# KiCad board panel9.kicad_pcb (continued)
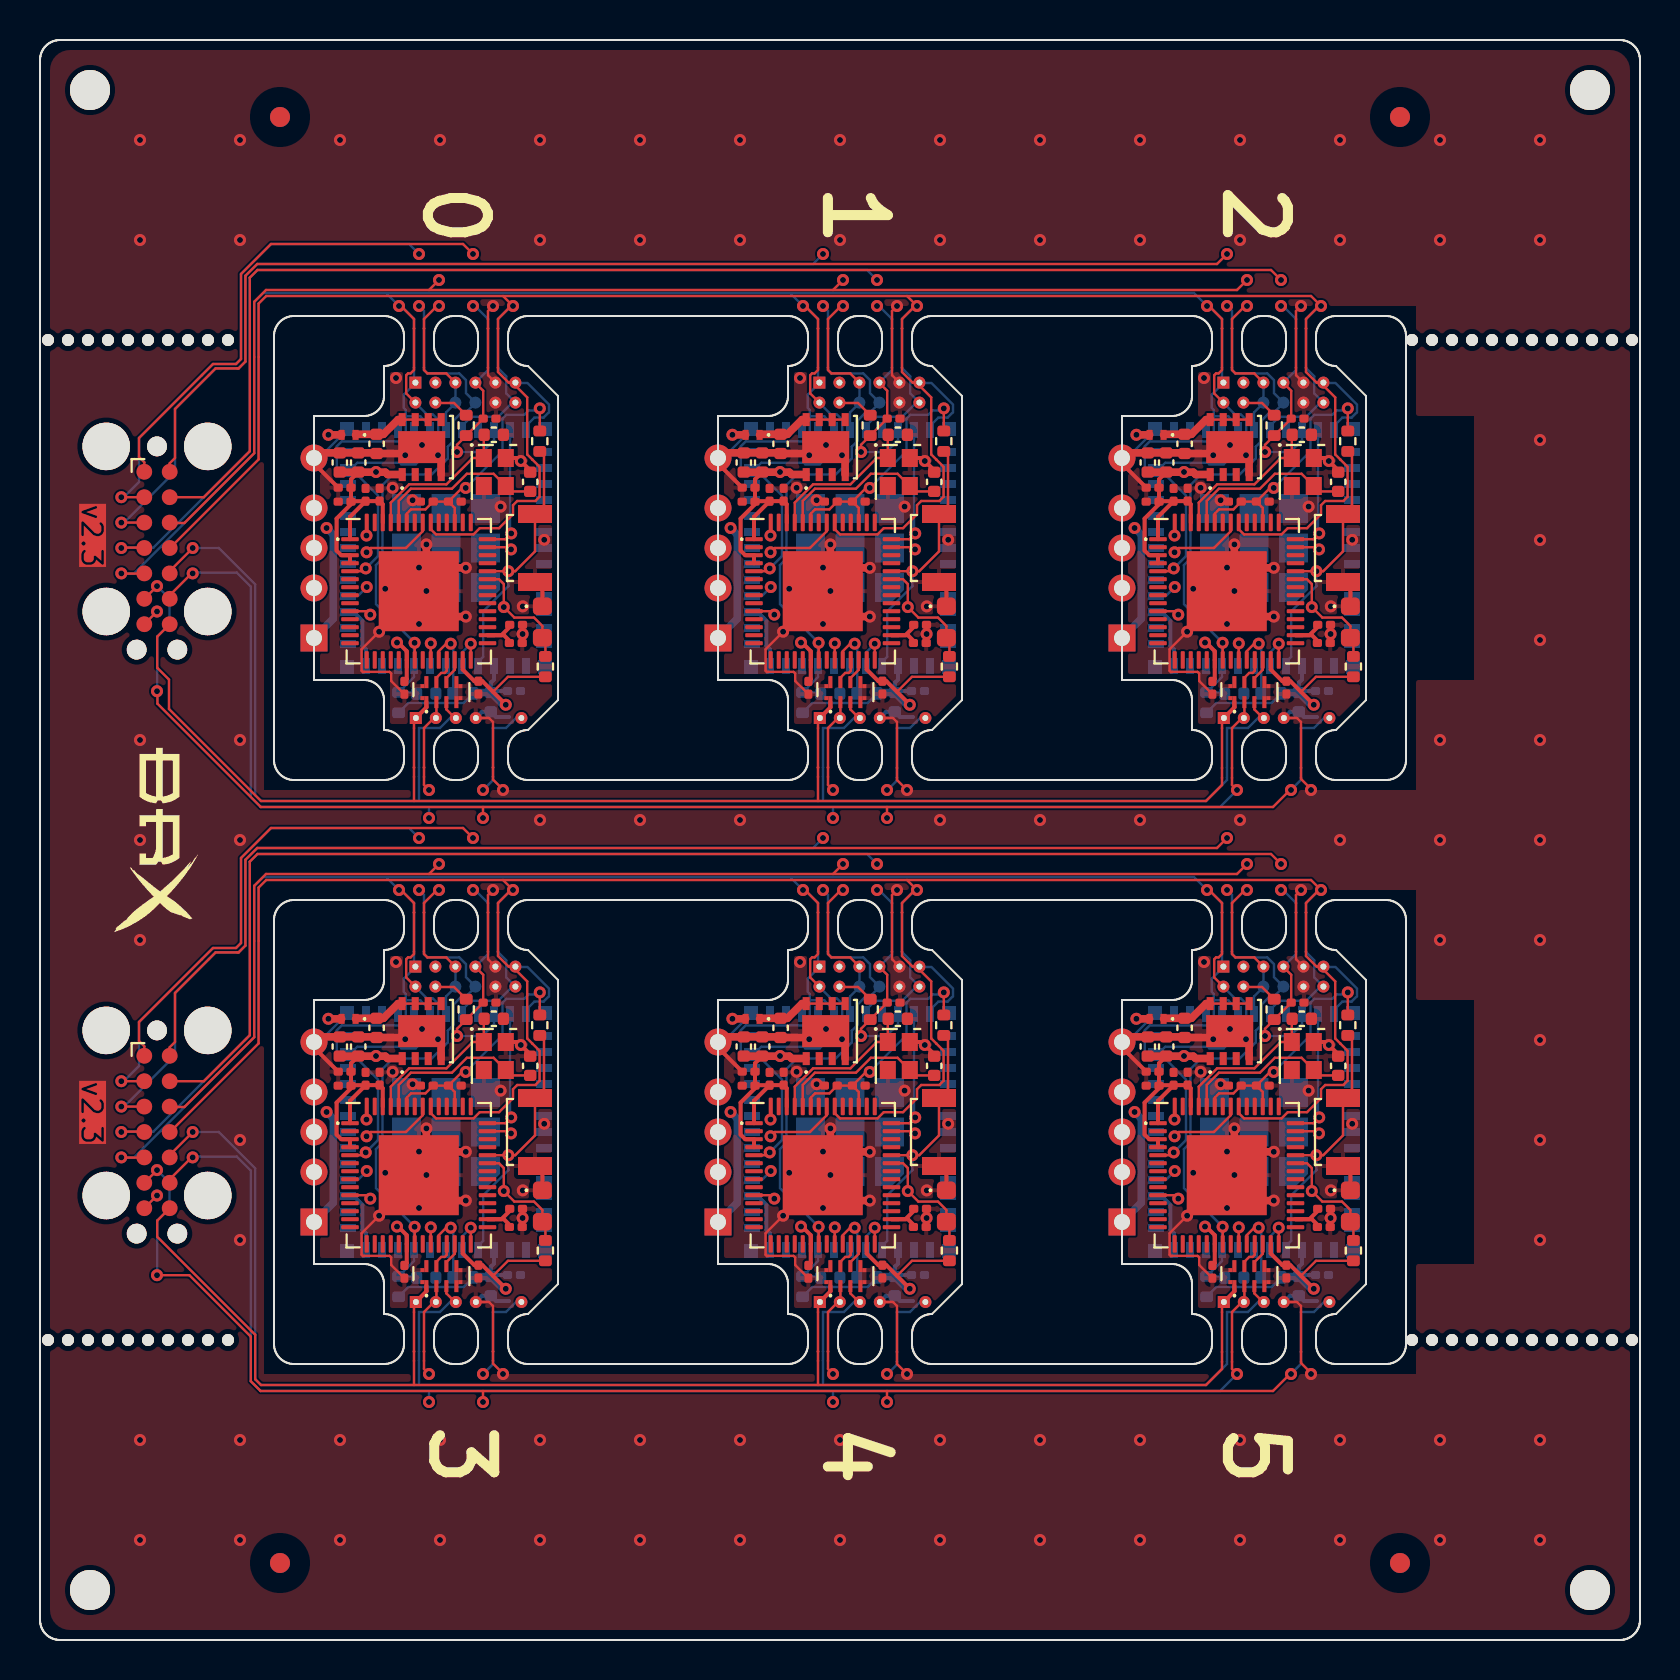
[diagram p0: board, top side]
## Routing (per net, layer and track width the routed paths; a pad name or vN(x,y) marks a point on that pad's centre or on a via; arc(x,y) is an arc through that point) (continued)
Board_4-Net-(U2-GPIO18/ADC2_CH7/DAC_2): length 3.8
  Top w0.12: v1(40.74,20.62) 40.51,20.62 40.14,20.24 U2#3.24
  Bottom w0.12: 40.79,18.13 40.86,18.2 40.86,20.49 v1(40.74,20.62)
Board_4-Net-(U2-VDD_SPI): length 2.5
  Top w0.2: 43.69,20.75 43.4,21.04 U2#3.30 43.28,21.04 43.69,21.45
Board_4-Net-(U2-XTAL_N): length 8.6
  Top w0.12: U2#3.52 38.14,27.76 38.75,28.36 40.8,28.36 41.54,29.11 42.88,29.11 Y1.3 43.76,28.23 C18#2.1
Board_4-Net-(U2-XTAL_P): length 7.7
  Top w0.12: U2#3.53 37.74,27.67 38.66,28.58 40.53,28.58 41.84,29.9 Y1.1 42.39,31.04 C19.1
Board_4-VBUS: length 4.6
  Top w0.12: U1#3.5 U1#3.6 U1#3.7 U1#3.8
  Top w0.38: D1#3.1 36.01,31.08 37.37,31.08 38.1,31.82 U1#3.8
Board_5-+3V3: length 75.2
  Top w0.12: R4#3.2 61.1,32.65 60.19,32.65 J2#6.4 ; U2#6.45 61.14,27.4 C12#3.1 ; v1(61.69,28.4) 61.5,28.4 C12#3.1 ; U2#6.51 58.74,27.11 58.95,27.33 59.67,27.33 C9#2.1 C12#3.1 ; 63.05,18.21 63.8,18.96 R11.2 ; R1#4.2 65.39,32.28
  Top w0.2: U2#6.1 55.9,26.96 C8#2.1 ; U2#6.54 57.54,27.59 C7.1 56.69,27.75 C8#2.1 ; v1(63.69,17.56) 63.69,17.57 62.52,18.74 C6.1 62.12,18.74 61.54,19.32 U2#6.27 ; C2.1 55.97,27.74 C8#2.1 ; C2.1 C3#4.1 55.95,28.83 C17.1 ; C2.1 55.95,27.59 55.23,26.87 55.23,25.27 55.46,25.04 U2#6.3 U2#6.4 ; v1(58.25,20.67) 58.26,20.66 58.32,20.66 58.74,20.24 U2#6.20 58.74,18.85 C1#6.1
  Top w0.38: 58.5,29.08 57.78,29.08 57.67,29.19 57.21,29.19 v1(57.2,29.2) 57.19,29.19 55.72,29.19
  In2.Cu w0.38: v1(61.69,28.4) 60.89,29.2 v1(57.2,29.2) ; v1(58.25,20.67) 58.25,22.76 ; 58.25,22.76 59.29,22.76 60.67,21.38 62.05,21.38 63.69,19.74 v1(63.69,17.56) ; 58.25,22.76 56.43,22.76 55.89,23.3 55.89,27.89 v1(57.2,29.2) ; J2#6.3 J2#6.4 60.17,32.04 59.64,31.51 58.82,31.51 57.2,29.89 v1(57.2,29.2)
  Bottom w0.12: R6#6.2 58.82,17.65 61.58,17.65 R10#5.2 ; v1(61.69,28.4) 63.52,30.24 63.52,31.86 63.72,32.06 64.61,32.06 64.83,32.28 65.39,32.28
  Bottom w0.2: 63.73,18.25 63.02,18.25 C14#4.1 62.94,18.66 63.1,18.82 U3#4.3
  Bottom w0.38: v1(63.69,17.56) 63.55,17.56 C14#4.1 62.05,18.17 62.01,18.13
  vias: v1(65.39,32.38)
Board_5-/BTN: length 24.2
  Top w0.12: U2#6.38 v1(63.82,24.24) 64.16,24.24 65.15,25.23 SW1#2.1 65.6,27.55 65.6,30.02 R1#4.1
  In2.Cu w0.12: v1(63.82,24.24) 64.29,24.24 65.94,22.59 65.94,18.37 J4#5.1
  Bottom w0.12: J4#5.1 64.2,16.9 63.7,16.4 NT12#4.1 ; U3#4.4 62.3,19.7 62.56,19.96 62.56,22.23 63.82,23.49 v1(63.82,24.24)
Board_5-/D+_TP: length 14.6
  Top w0.12: U4#6.3 60.72,17.33 61.15,16.9
  In2.Cu w0.12: J1#2.3 54.94,24.56 54.94,22.98 60.32,17.59 60.5,17.59 J3#4.3
  Bottom w0.12: J3#4.3 60.9,16.9 60.4,16.4 NT11#5.1
Board_5-/D-_TP: length 10.7
  Top w0.12: U4#6.2 60.22,16.93 J3#4.2 60.1,16.9 NT10#3.1
  In2.Cu w0.12: J1#2.2 54.21,23.4 60.19,17.42 J3#4.2
Board_5-/HCI_CTS: length 2.1
  Top w0.12: v1(61.94,20.61) U2#6.28
  Bottom w0.12: U3#4.5 61.5,20.18 v1(61.94,20.61)
Board_5-/HCI_RXD: length 2
  Top w0.12: U2#6.23 59.94,20.63 v1(59.94,20.63)
  Bottom w0.12: v1(59.94,20.63) 59.94,19.54 U3#4.7
Board_5-/HCI_TXD: length 6.5
  Top w0.12: U2#6.42 63.67,25.84 v1(63.96,26.13)
  Bottom w0.12: U3#4.34 63.9,26.19 v1(63.96,26.13)
Board_5-/LED: length 14.7
  Top w0.12: R11.1 65.67,20.76 D6#5.2 65.52,21.5 65.1,21.92 64.12,21.92 63.59,22.45 v1(63.59,22.45) 63.59,23.6 63.35,23.84 U2#6.37
  In2.Cu w0.12: v1(56.74,23.45) 57.11,23.82 62.22,23.82 v1(63.59,22.45)
  Bottom w0.12: U3#4.15 56.29,23 v1(56.74,23.45)
Board_5-/PICO_EN: length 24.5
  Top w0.12: v1(59.13,20.66) 59.13,20.44 59.14,20.43 U2#6.21
  Bottom w0.12: NT5#6.1 59.6,34.3 59.77,34.13 61.36,34.13 61.7,33.79 61.7,33.14 J2#6.8 62.17,32.65 61.6,32.08 61.39,32.08 61.09,31.78 61.09,30.77 60.79,30.47 60.79,29.88 59.99,29.08 58.05,29.08 57.52,28.55 57.52,24.87 57.2,24.54 57.2,22.59 v1(59.13,20.66) 59.1,20.63 U3#4.8 59.1,18.95 R6#6.1 59.17,18.18 C5#3.1
Board_5-/PICO_IO0: length 24.1
  Top w0.12: v1(56.91,22.07) 56.74,22.24 U2#6.10 ; NT2#5.1 59.1,34.3 58.93,34.13 58.8,34.13 58.71,34.04 58.71,33.13 J2#6.2 59.19,32.65 59.22,32.65 59.24,32.63
  In2.Cu w0.12: J2#6.2 59.17,32.65 55.47,28.95 55.47,22.92 56.32,22.07 v1(56.91,22.07)
  Bottom w0.12: U3#4.23 56,29.4 56.26,29.66 58.39,29.66 58.47,29.58 59.18,29.58 60.31,30.71 60.31,31.81 60.04,32.08 59.74,32.08 59.17,32.65 J2#6.2
Board_5-/PICO_TXD: length 15.8
  Top w0.12: 64.2,32.73 64.17,32.7 J2#6.12 ; v1(63.95,25.33) 63.84,25.44 U2#6.41
  In2.Cu w0.12: J2#6.12 64.17,32.65 65.94,30.88 65.94,26.98 65.03,26.07 64.69,26.07 v1(63.95,25.33)
  Bottom w0.12: U3#4.31 61.5,31.5 61.96,31.96 63.31,31.96 64,32.65 64.15,32.65 J2#6.12 63.71,33.13 63.71,33.99 NT7#4.1
Board_5-/RXD: length 21.6
  Top w0.12: v1(56.73,25.19) 56.94,25.4 58.7,25.4 59.54,26.24 U2#6.49 ; J2#6.5 60.71,34.13 59.77,34.13 59.6,34.3 NT3#4.1
  In2.Cu w0.12: J2#6.5 61.17,31.17 62.37,29.97 62.37,27.33 60.13,25.09 56.82,25.09 v1(56.73,25.19)
  Bottom w0.12: J2#6.5 J2#6.6 61.17,32.65 60.7,32.18 U3#4.30
Board_5-/S2_EN: length 17.1
  Top w0.12: J2#6.7 62.17,33.65 62.56,33.26 C15#5.1 R4#3.1 61.25,30.56 v1(61.25,30.2) ; v1(56.72,26.02) 56.74,26.04 U2#6.56
  In2.Cu w0.12: v1(56.72,26.02) 59.3,26.02 61.22,27.94 61.88,27.94 62.15,28.21 62.15,29.3 v1(61.25,30.2)
  Bottom w0.12: v1(61.25,30.2) 62.51,30.2 63.1,30.79 U3#4.33 ; NT4#2.1 62.8,34.3 J2#6.7
Board_5-/S2_IO0: length 17.8
  Top w0.12: J2#6.1 59.17,33.6 ; v1(56.69,24.38) 56.55,24.24 U2#6.5
  Bottom w0.12: 58.69,31.99 59.41,31.99 59.9,31.5 U3#4.29 ; 58.69,31.99 58.69,30.85 58.57,30.73 55.49,30.73 55.24,30.48 55.24,29.12 55.35,29.01 56.31,29.01 57.3,28.02 57.3,24.99 v1(56.69,24.38) ; 58.69,31.99 58.69,32.3 58.59,32.41 58.59,33.06 59.17,33.65 J2#6.1 59.1,33.74 NT1#6.1
Board_5-/S2_TXD: length 18.6
  Top w0.12: NT6#4.1 63.3,34.2 63.83,33.67 J2#6.11 64.17,33.52 64.76,32.93 64.76,30.08 65.02,29.82 65.02,29.82 65.38,29.46 65.38,27.96 65.17,27.75 64.26,27.75 64.05,27.54 64.05,27.09 63.35,26.39 62.39,26.39 62.08,26.08 60.2,26.08 59.94,26.34 U2#6.48
  Bottom w0.12: U3#4.35 64.7,31.5 65.12,31.92 65.58,31.92 65.85,32.19 65.85,32.57 64.77,33.65 64.19,33.65 J2#6.11
Board_5-/USB_D+: length 1.3
  Top w0.12: U2#6.26 61.14,19.31 60.72,18.89 U4#6.6
Board_5-/USB_D-: length 1.4
  Top w0.12: U2#6.25 60.74,19.26 60.63,19.15 60.46,19.15 60.22,18.91 U4#6.7
Board_5-GND: length 42.2
  Top w0.12: C1#6.2 57.96,18.75 57.96,19.12 57.88,19.2 56.53,19.2 56.48,19.26 56.48,20.34 v1(57.36,21.22) ; J3#4.4 62.85,16.9 63.05,16.7 NT13.1 ; J2#6.9 62.8,34.04 NT8#2.1
  Top w0.2: D6#5.1 65.52,23.33 SW1#2.2 ; C18#3.2 64.91,29.28 v1(64.44,29.75) 64.29,29.9 Y1#6.4 ; J1#2.5 54.1,29.62 C3#4.2
  Top w0.38: J1#2.5 54.35,30.16 C4#6.2 C17.2 57.2,30.16 C16#5.2 59.15,30.12 59.48,30.45 ; v1(60.3,30.04) 60.46,29.89 60.46,29.08 ; v1(57.36,21.22) 57.36,21.26 U2#6.57 ; U2#6.57 60.51,24.41 v1(61.69,24.41) ; U2#6.57 59.15,23.43 ; U2#6.57 60.61,21.97 v1(61.69,21.97) ; U2#6.57 59.72,23.62 v1(59.72,25.58)
  In1.Cu w0.45: J1#2.5 54.1,29.9 58.52,29.9 v1(58.66,30.04)
  Bottom w0.12: U3#4.51 55.75,31.3 54.35,29.9 J1#2.5
  Bottom w0.2: U3#4.11 56.7,20.33 56.52,20.51 56.52,21.76 56.08,22.2 U3#4.14 ; C14#4.2 63.2,16.95 63.85,16.95 ; J3#4.4 62.5,17.21 62.89,17.21
  vias: v1(57.66,23.36) v1(58.03,28.41) v1(58.2,33.9) v1(59.03,27.79) v1(59.35,24.42) v1(59.35,21.6) v1(59.5,30.55) v1(59.72,23.25) v1(63.43,27.47) v1(64.54,22.48) v1(64.53,21.1) v1(65.61,25.81)
Board_5-Net-(U2-GPIO18/ADC2_CH7/DAC_2): length 3.8
  Top w0.12: U2#6.24 60.34,20.24 60.71,20.62 v1(60.94,20.62)
  Bottom w0.12: 60.99,18.13 61.06,18.2 61.06,20.49 v1(60.94,20.62)
Board_5-Net-(U2-VDD_SPI): length 2.5
  Top w0.2: 63.88,21.45 63.47,21.04 U2#6.30 63.59,21.04 63.88,20.75
Board_5-Net-(U2-XTAL_N): length 8.6
  Top w0.12: U2#6.52 58.34,27.76 58.95,28.36 61,28.36 61.74,29.11 63.08,29.11 Y1#6.3 63.96,28.23 C18#3.1
Board_5-Net-(U2-XTAL_P): length 7.7
  Top w0.12: U2#6.53 57.94,27.67 58.85,28.58 60.72,28.58 62.04,29.9 Y1#6.1 62.59,31.04 C19#6.1
Board_5-VBUS: length 4.6
  Top w0.12: U1#6.8 U1#6.7 U1#6.6 U1#6.5
  Top w0.38: D1.1 56.21,31.08 57.57,31.08 58.31,31.82 U1#6.8
DUT0_EN0: length 28.8
  Top w0.12: 5.22,58.41 5.22,58.88 4.95,59.15 4.95,60.1 8.65,63.8 9.8,63.8 10.05,64.05 10.05,68.3 11.55,69.8 21.15,69.8 v1(21.65,69.3)
  In2.Cu w0.12: v1(21.65,66.7) v1(21.65,69.3)
  Bottom w0.12: v1(21.65,66.7) 21.75,66.7 REF**#62.2
DUT0_EN1: length 28.4
  Top w0.12: 4.19,57.14 5.23,57.14
  In2.Cu w0.12: v1(18.95,66.7) v1(18.95,69.3)
  Bottom w0.12: v1(18.95,66.7) 19.2,66.45 REF**#79.2 ; 4.19,57.14 4.95,57.9 4.95,60.1 8.65,63.8 9.8,63.8 10.05,64.05 10.05,68.3 11.55,69.8 18.45,69.8 v1(18.95,69.3)
  vias: v1(4.06,57.14)
DUT1_EN0: length 52
  Top w0.12: 4.21,54.62 5.19,54.62 5.22,54.6
  In2.Cu w0.12: v1(41.85,66.7) v1(41.85,68)
  Bottom w0.12: REF**#47.2 41.95,66.7 v1(41.85,66.7) ; 4.21,54.62 5.67,54.62 10.49,59.44 10.49,68.12 10.87,68.5 41.35,68.5 v1(41.85,68)
  vias: v1(4.06,54.6)
DUT1_EN1: length 49.2
  Top w0.12: 4.2,55.87 5.23,55.87
  In2.Cu w0.12: v1(39.15,66.7) v1(39.15,69.3)
  Bottom w0.12: v1(39.15,69.3) 38.65,68.8 10.86,68.8 10.27,68.21 10.27,63.92 9.93,63.58 8.78,63.58 6.75,61.55 6.75,58.42 4.2,55.87 ; v1(39.15,66.7) 39.4,66.45 REF**#81.2
  vias: v1(4.06,55.87)
DUT2_EN0: length 67.9
  Top w0.12: REF**#17.13 8.19,57.14 10.49,59.44 10.49,68.12 10.87,68.5 61.55,68.5 v1(62.05,68)
  In2.Cu w0.12: v1(62.05,66.7) v1(62.05,68)
  Bottom w0.12: REF**#63.2 62.15,66.7 v1(62.05,66.7)
DUT2_EN1: length 64.9
  Top w0.12: REF**#17.14 6.48,58.84 6.75,59.1 6.75,61.55 8.78,63.58 9.93,63.58 10.27,63.92 10.27,68.21 10.86,68.8 58.85,68.8 v1(59.35,69.3)
  In2.Cu w0.12: v1(59.35,66.7) v1(59.35,69.3)
  Bottom w0.12: v1(59.35,66.7) 59.6,66.45 59.6,66.05
DUT3_EN0: length 67.9
  Top w0.12: v1(62.05,38.8) 61.55,39.3 10.87,39.3 10.49,38.92 10.49,30.24 8.19,27.94 REF**#23.13
  In2.Cu w0.12: v1(62.05,37.5) v1(62.05,38.8)
  Bottom w0.12: v1(62.05,37.5) 62.15,37.5 REF**#72.2
DUT3_EN1: length 64.9
  Top w0.12: v1(59.35,40.1) 58.85,39.6 10.86,39.6 10.27,39.01 10.27,34.72 9.93,34.38 8.78,34.38 6.75,32.35 6.75,29.9 6.48,29.64 REF**#23.14
  In2.Cu w0.12: v1(59.35,37.5) v1(59.35,40.1)
  Bottom w0.12: v1(59.35,37.5) 59.6,37.25 REF**#70.2
DUT4_EN0: length 52
  Top w0.12: 5.22,25.4 5.19,25.42 4.21,25.42
  In2.Cu w0.12: v1(41.85,37.5) v1(41.85,38.8)
  Bottom w0.12: 4.21,25.42 5.67,25.42 10.49,30.24 10.49,38.92 10.87,39.3 41.35,39.3 v1(41.85,38.8) ; v1(41.85,37.5) 41.95,37.5 REF**#51.2
  vias: v1(4.06,25.4)
DUT4_EN1: length 49.2
  Top w0.12: 4.2,26.67 5.23,26.67
  In2.Cu w0.12: v1(39.15,37.5) v1(39.15,40.1)
  Bottom w0.12: 4.2,26.67 6.75,29.22 6.75,32.35 8.78,34.38 9.93,34.38 10.27,34.72 10.27,39.01 10.86,39.6 38.65,39.6 v1(39.15,40.1) ; v1(39.15,37.5) 39.4,37.25 REF**#78.2
  vias: v1(4.06,26.67)
DUT5_EN0: length 28.8
  Top w0.12: v1(21.65,40.1) 21.15,40.6 11.55,40.6 10.05,39.1 10.05,34.85 9.8,34.6 8.65,34.6 4.95,30.9 4.95,29.95 5.22,29.69 5.22,29.21
  In2.Cu w0.12: v1(21.65,37.5) v1(21.65,40.1)
  Bottom w0.12: v1(21.65,37.5) 21.75,37.5 REF**#59.2
DUT5_EN1: length 28.4
  Top w0.12: 4.19,27.94 5.23,27.94
  In2.Cu w0.12: v1(18.95,37.5) v1(18.95,40.1)
  Bottom w0.12: v1(18.95,37.5) 19.2,37.25 REF**#53.2 ; v1(18.95,40.1) 18.45,40.6 11.55,40.6 10.05,39.1 10.05,34.85 9.8,34.6 8.65,34.6 4.95,30.9 4.95,28.7 4.19,27.94
  vias: v1(4.06,27.94)
DUT_BOOT_B: length 73.6
  Top w0.12: v1(38.15,37.5) 38.25,37.5 REF**#26.2 ; v1(17.95,37.5) 18.05,37.5 REF**#34.2 ; v1(58.35,37.5) 58.45,37.5 REF**#18.2 ; 5.22,24.13 5.2,24.12 4.21,24.12
  Bottom w0.12: 4.21,24.12 4.69,24.12 10.71,30.14 10.71,37.7 11.16,38.15 57.7,38.15 v1(58.35,37.5) 58.45,37.5 REF**#18.2 ; REF**#26.2 38.25,37.5 v1(38.15,37.5) 37.5,38.15 ; 17.3,38.15 v1(17.95,37.5) 18.05,37.5 REF**#34.2
  vias: v1(4.06,24.13)
DUT_BOOT_T: length 73.6
  Top w0.12: 4.21,53.32 5.2,53.32 5.22,53.33 ; REF**#7.2 58.45,66.7 v1(58.35,66.7) ; v1(17.95,66.7) 18.05,66.7 REF**#27.2 ; REF**#9.2 38.25,66.7 v1(38.15,66.7)
  Bottom w0.12: REF**#27.2 18.05,66.7 v1(17.95,66.7) 17.3,67.35 ; REF**#7.2 58.45,66.7 v1(58.35,66.7) 57.7,67.35 11.16,67.35 10.71,66.9 10.71,59.34 4.69,53.32 4.21,53.32 ; REF**#9.2 38.25,66.7 v1(38.15,66.7) 37.5,67.35
  vias: v1(4.06,53.33)
DUT_BTN_B: length 74.1
  Top w0.12: 42.35,12.45 61.65,12.45 62.5,13.3 ; 42.35,12.45 22.15,12.45 ; 42.35,12.45 v1(42.35,11.9) ; 22.15,12.45 11.03,12.45 10.54,12.94 10.54,15.17 7.47,18.24 v1(5.85,18.24) ; 22.15,12.45 v1(22.15,11.9) ; 5.87,23.51 5.22,22.86 5.09,22.86
  In2.Cu w0.12: v1(22.15,11.9) v1(22.15,13.3) ; v1(42.35,13.3) v1(42.35,11.9)
  Bottom w0.12: 42.3,13.3 42.38,13.3 42.85,13.77 REF**#75.1 ; v1(5.85,23.5) 6.48,22.86 6.48,21.59 5.86,20.97 5.86,18.25 5.87,18.24 ; REF**#67.1 63.05,13.81 62.54,13.3 62.5,13.3 ; 22.1,13.3 22.16,13.3 22.65,13.79 REF**#48.1
  vias: v1(62.55,13.3)
DUT_BTN_T: length 73.2
  Top w0.12: 42.35,41.65 61.65,41.65 62.5,42.5 ; 42.35,41.65 22.15,41.65 ; 42.35,41.65 v1(42.35,41.1) ; 5.87,47.44 5.87,46.82 11.04,41.65 22.15,41.65 ; 22.15,41.65 v1(22.15,41.1) ; 5.09,52.06 5.22,52.06 5.87,52.71
  In2.Cu w0.12: v1(22.15,41.1) v1(22.15,42.5) ; v1(42.35,42.5) v1(42.35,41.1)
  Bottom w0.12: 62.5,42.5 62.54,42.5 63.05,43.01 63.05,43.15 ; 22.65,43.15 22.65,42.99 22.16,42.5 22.1,42.5 ; 42.85,43.1 42.85,42.97 42.38,42.5 42.3,42.5 ; 5.87,47.44 5.86,47.45 5.86,50.17 6.48,50.79 6.48,52.06 v1(5.85,52.7)
  vias: v1(5.85,47.44) v1(62.55,42.5)
DUT_DN_B: length 71.5
  Top w0.12: 39.66,13.29 39.4,13.55 REF**#40.1 ; REF**#2.1 19.2,13.55 v1(19.45,13.3) ; REF**#24.1 59.6,13.55 v1(59.85,13.3) ; REF**#23.9 6.48,23.03 7.62,24.17
  In2.Cu w0.12: v1(39.65,13.3) v1(39.65,11.9) ; v1(19.45,11.9) v1(19.45,13.3)
  Bottom w0.12: 7.62,24.17 9.84,24.17 10.54,23.47 10.54,12.94 11.03,12.45 19.45,12.45 ; v1(59.85,13.3) 59,12.45 19.45,12.45 ; 19.45,12.45 v1(19.45,11.9) ; v1(39.65,11.9) 39.65,12.45
  vias: v1(7.64,24.13)
DUT_DN_T: length 71.5
  Top w0.12: REF**.1 19.2,42.75 v1(19.45,42.5) ; REF**#14.1 39.4,42.75 v1(39.65,42.5) ; REF**#17.9 6.48,52.23 7.62,53.37 ; REF**#13.1 59.6,42.75 v1(59.85,42.5)
  In2.Cu w0.12: v1(19.45,41.1) v1(19.45,42.5) ; v1(39.65,42.5) v1(39.65,41.1)
  Bottom w0.12: 19.45,41.65 11.03,41.65 10.54,42.14 10.54,52.67 9.84,53.37 7.62,53.37 ; 19.45,41.65 59,41.65 v1(59.85,42.5) ; 19.45,41.65 v1(19.45,41.1) ; v1(39.65,41.1) 39.65,41.65
  vias: v1(7.64,53.33)
DUT_DP_B: length 67.8
  Top w0.12: 7.64,25.4 6.48,24.25 REF**#23.10
  Bottom w0.12: 7.64,25.4 8.94,25.4 10.76,23.58 10.76,13.04 11.05,12.75 18.95,12.75 ; 39.15,12.75 18.95,12.75 ; 39.15,12.75 58.3,12.75 59.35,13.8 REF**#77.1 ; 39.15,12.75 REF**#58.1 ; 18.95,12.75 REF**#57.1
  vias: v1(7.64,25.4)
DUT_DP_T: length 67.8
  Top w0.12: REF**#17.10 6.48,53.45 7.64,54.6
  Bottom w0.12: 39.15,41.95 58.3,41.95 59.35,43 REF**#66.1 ; 39.15,41.95 18.95,41.95 ; 39.15,41.95 REF**#73.1 ; 18.95,41.95 REF**#55.1 ; 18.95,41.95 11.05,41.95 10.76,42.24 10.76,52.78 8.94,54.6 7.64,54.6
  vias: v1(7.64,54.6)
DUT_GND: length 11.9
  Top w0.12: REF**#10.2 22.4,37.25 v1(22.65,37.5) ; v1(22.65,66.7) 22.4,66.45 REF**#32.2 ; REF**#11.1 42.85,13.8 v1(43.35,13.3) ; 63.75,13.3 63.6,13.3 63.05,13.85 REF**#31.1 ; REF**#19.1 22.65,13.82 23.17,13.3 23.25,13.3 ; REF**#41.2 62.8,66.45 v1(63.05,66.7) ; 43.34,42.5 43.45,42.5 ; 63.75,42.5 63.6,42.5 63.05,43.05 REF**#44.1 ; v1(42.85,66.7) 42.6,66.45 REF**#30.2 ; REF**#35.1 22.65,43.02 23.17,42.5 23.25,42.5 ; v1(43.35,42.5) 42.85,43 REF**#16.1 ; v1(63.05,37.5) 62.8,37.25 REF**#42.2 ; v1(5.85,51.42) 5.22,50.79 ; v1(5.85,22.22) 5.22,21.59 ; REF**#37.2 42.6,37.25 v1(42.85,37.5)
  vias: v1(5,75) v1(5,70) v1(5,45) v1(5,40) v1(5,35) v1(5,10) v1(5,5) v1(10,75) v1(10,70) v1(10,45) v1(10,40) v1(10,25) v1(10,20) v1(10,10) v1(10,5) v1(15,75) v1(15,10) v1(15,5) v1(20,75) v1(20,10) v1(20,5) v1(23.15,42.5) v1(23.15,13.3) v1(25,75) v1(25,70) v1(25,41) v1(25,10) v1(25,5) v1(30,75) v1(30,70) v1(30,41) v1(30,10) v1(30,5) v1(35,75) v1(35,70) v1(35,41) v1(35,10) v1(35,5) v1(40,75) v1(40,70) v1(40,10) v1(40,5) v1(45,75) v1(45,70) v1(45,41) v1(45,10) v1(45,5) v1(50,75) v1(50,70) v1(50,41) v1(50,10) v1(50,5) v1(55,75) v1(55,70) v1(55,41) v1(55,10) v1(55,5) v1(60,75) v1(60,70) v1(60,41) v1(60,10) v1(60,5) v1(63.55,42.5) v1(63.55,13.3) v1(65,75) v1(65,70) v1(65,40) v1(65,10) v1(65,5) v1(70,75) v1(70,70) v1(70,45) v1(70,40) v1(70,35) v1(70,10) v1(70,5) v1(75,75) v1(75,70) v1(75,60) v1(75,55) v1(75,50) v1(75,45) v1(75,40) v1(75,35) v1(75,30) v1(75,25) v1(75,20) v1(75,10) v1(75,5)
DUT_RX_B: length 71.7
  Top w0.12: REF**#29.2 60.25,37.5 v1(60.35,37.5) ; v1(60.35,38.8) 59.85,38.3 11.3,38.3 10.71,37.71 10.71,30.14 7.22,26.65 6.5,26.65 ; v1(40.15,38.8) 39.65,38.3 ; v1(40.15,37.5) 40.05,37.5 REF**#28.2 ; v1(19.95,37.5) 19.85,37.5 REF**#21.2 ; v1(19.95,38.8) 19.45,38.3
  In2.Cu w0.12: v1(19.95,37.5) v1(19.95,38.8) ; v1(60.35,37.5) v1(60.35,38.8) ; v1(40.15,37.5) v1(40.15,38.8)
DUT_RX_T: length 71.7
  Top w0.12: v1(60.35,66.7) 60.25,66.7 59.6,66.05 ; v1(40.15,66.7) 40.05,66.7 39.4,66.05 ; v1(60.35,68) 59.85,67.5 11.3,67.5 10.71,66.91 10.71,59.34 7.22,55.85 6.5,55.85 ; 19.2,66.05 19.85,66.7 v1(19.95,66.7) ; v1(19.95,68) 19.45,67.5 ; v1(40.15,68) 39.65,67.5
  In2.Cu w0.12: v1(19.95,66.7) v1(19.95,68) ; v1(40.15,66.7) v1(40.15,68) ; v1(60.35,66.7) v1(60.35,68)
DUT_TX_B: length 75.7
  Top w0.12: 43.75,37.5 v1(43.85,37.5) ; 43.75,37.5 REF**#45.2 ; 43.75,37.5 v1(43.85,37.5) ; v1(43.85,37.5) 43.35,38 ; REF**#33.2 63.95,37.5 ; 63.95,37.5 v1(64.05,37.5) ; 63.95,37.5 v1(64.05,37.5) ; 6.49,25.39 10.93,29.83 10.93,37.62 11.31,38 63.55,38 v1(64.05,37.5) ; REF**#36.2 23.55,37.5 ; 23.55,37.5 v1(23.65,37.5) ; 23.55,37.5 v1(23.65,37.5) ; v1(23.65,37.5) 23.15,38
  Bottom w0.12: 63.95,37.5 v1(64.05,37.5) 63.95,37.5 ; 63.95,37.5 REF**#33.2 ; 43.75,37.5 v1(43.85,37.5) 43.75,37.5 ; 43.75,37.5 REF**#45.2 ; 23.55,37.5 v1(23.65,37.5) 23.55,37.5 ; 23.55,37.5 REF**#36.2
DUT_TX_T: length 75.7
  Top w0.12: 23.55,66.7 v1(23.65,66.7) ; 23.55,66.7 v1(23.65,66.7) ; 23.55,66.7 REF**#43.2 ; v1(23.65,66.7) 23.15,67.2 ; REF**#3.2 63.95,66.7 ; 63.95,66.7 v1(64.05,66.7) ; 63.95,66.7 v1(64.05,66.7) ; v1(64.05,66.7) 63.55,67.2 11.31,67.2 10.93,66.82 10.93,59.03 6.49,54.59 ; v1(43.85,66.7) 43.35,67.2 ; v1(43.85,66.7) 43.75,66.7 ; v1(43.85,66.7) 43.75,66.7 ; 43.75,66.7 REF**#22.2
  Bottom w0.12: 23.55,66.7 v1(23.65,66.7) 23.55,66.7 ; 23.55,66.7 REF**#43.2 ; 63.95,66.7 v1(64.05,66.7) 63.95,66.7 ; 63.95,66.7 REF**#3.2 ; REF**#22.2 43.75,66.7 ; 43.75,66.7 v1(43.85,66.7) 43.75,66.7
DUT_VBUS_B: length 62.4
  Top w0.12: REF**#38.1 38.9,12.75 ; REF**#20.1 59.1,13.55 58.3,12.75 11.05,12.75 10.76,13.04 10.76,15.26 5.86,20.16 5.86,20.97 REF**#23.8 ; REF**#12.1 18.7,12.75
DUT_VBUS_T: length 62.4
  Top w0.12: 59.1,43.1 59.1,42.75 58.3,41.95 11.05,41.95 6.45,46.55 6.45,48.02 5.86,48.61 5.86,50.16 REF**#17.8 ; 38.9,43.15 38.9,41.95 ; REF**#4.1 18.7,41.95

## Copper pours and planes (outline as drawn; the poured copper is in the pictures)
Board_0-GND on Top, Bottom, In1.Cu, In2.Cu: 25.9,63.7 17.2,63.7 17.2,61.2 13.7,61.2 13.7,48 17.2,48 17.2,45.5 25.9,45.5
Board_1-GND on Top, Bottom, In1.Cu, In2.Cu: 46.1,63.7 37.4,63.7 37.4,61.2 33.9,61.2 33.9,48 37.4,48 37.4,45.5 46.1,45.5
Board_2-GND on Top, Bottom, In1.Cu, In2.Cu: 66.3,63.7 57.6,63.7 57.6,61.2 54.1,61.2 54.1,48 57.6,48 57.6,45.5 66.3,45.5
Board_3-GND on Top, Bottom, In1.Cu, In2.Cu: 25.9,34.5 17.2,34.5 17.2,32 13.7,32 13.7,18.8 17.2,18.8 17.2,16.3 25.9,16.3
Board_4-GND on Top, Bottom, In1.Cu, In2.Cu: 46.1,34.5 37.4,34.5 37.4,32 33.9,32 33.9,18.8 37.4,18.8 37.4,16.3 46.1,16.3
Board_5-GND on Top, Bottom, In1.Cu, In2.Cu: 66.3,34.5 57.6,34.5 57.6,32 54.1,32 54.1,18.8 57.6,18.8 57.6,16.3 66.3,16.3
DUT_GND on Top, Bottom, In1.Cu, In2.Cu: 0.5,79.5 11.2,79.5 11.2,0.5 0.5,0.5
DUT_GND on Top, Bottom, In1.Cu, In2.Cu: 79.5,79.5 79.5,0.5 68.8,0.5 68.8,79.5
DUT_GND on Top, Bottom, In1.Cu, In2.Cu: 0.5,79.5 0.5,66.7 79.5,66.7 79.5,79.5
DUT_GND on Top, Bottom, In1.Cu, In2.Cu: 79.5,42.5 79.5,37.5 0.5,37.5 0.5,42.5
DUT_GND on Top, Bottom, In1.Cu, In2.Cu: 0.5,13.3 0.5,0.5 79.5,0.5 79.5,13.3

## Text on the board
Top: v2.3
F.Silkscreen: 0 | 3 | 1 | 4 | 2 | 5
